# Altium PCB tester_board.PcbDoc (part 3 of 4) (continued)
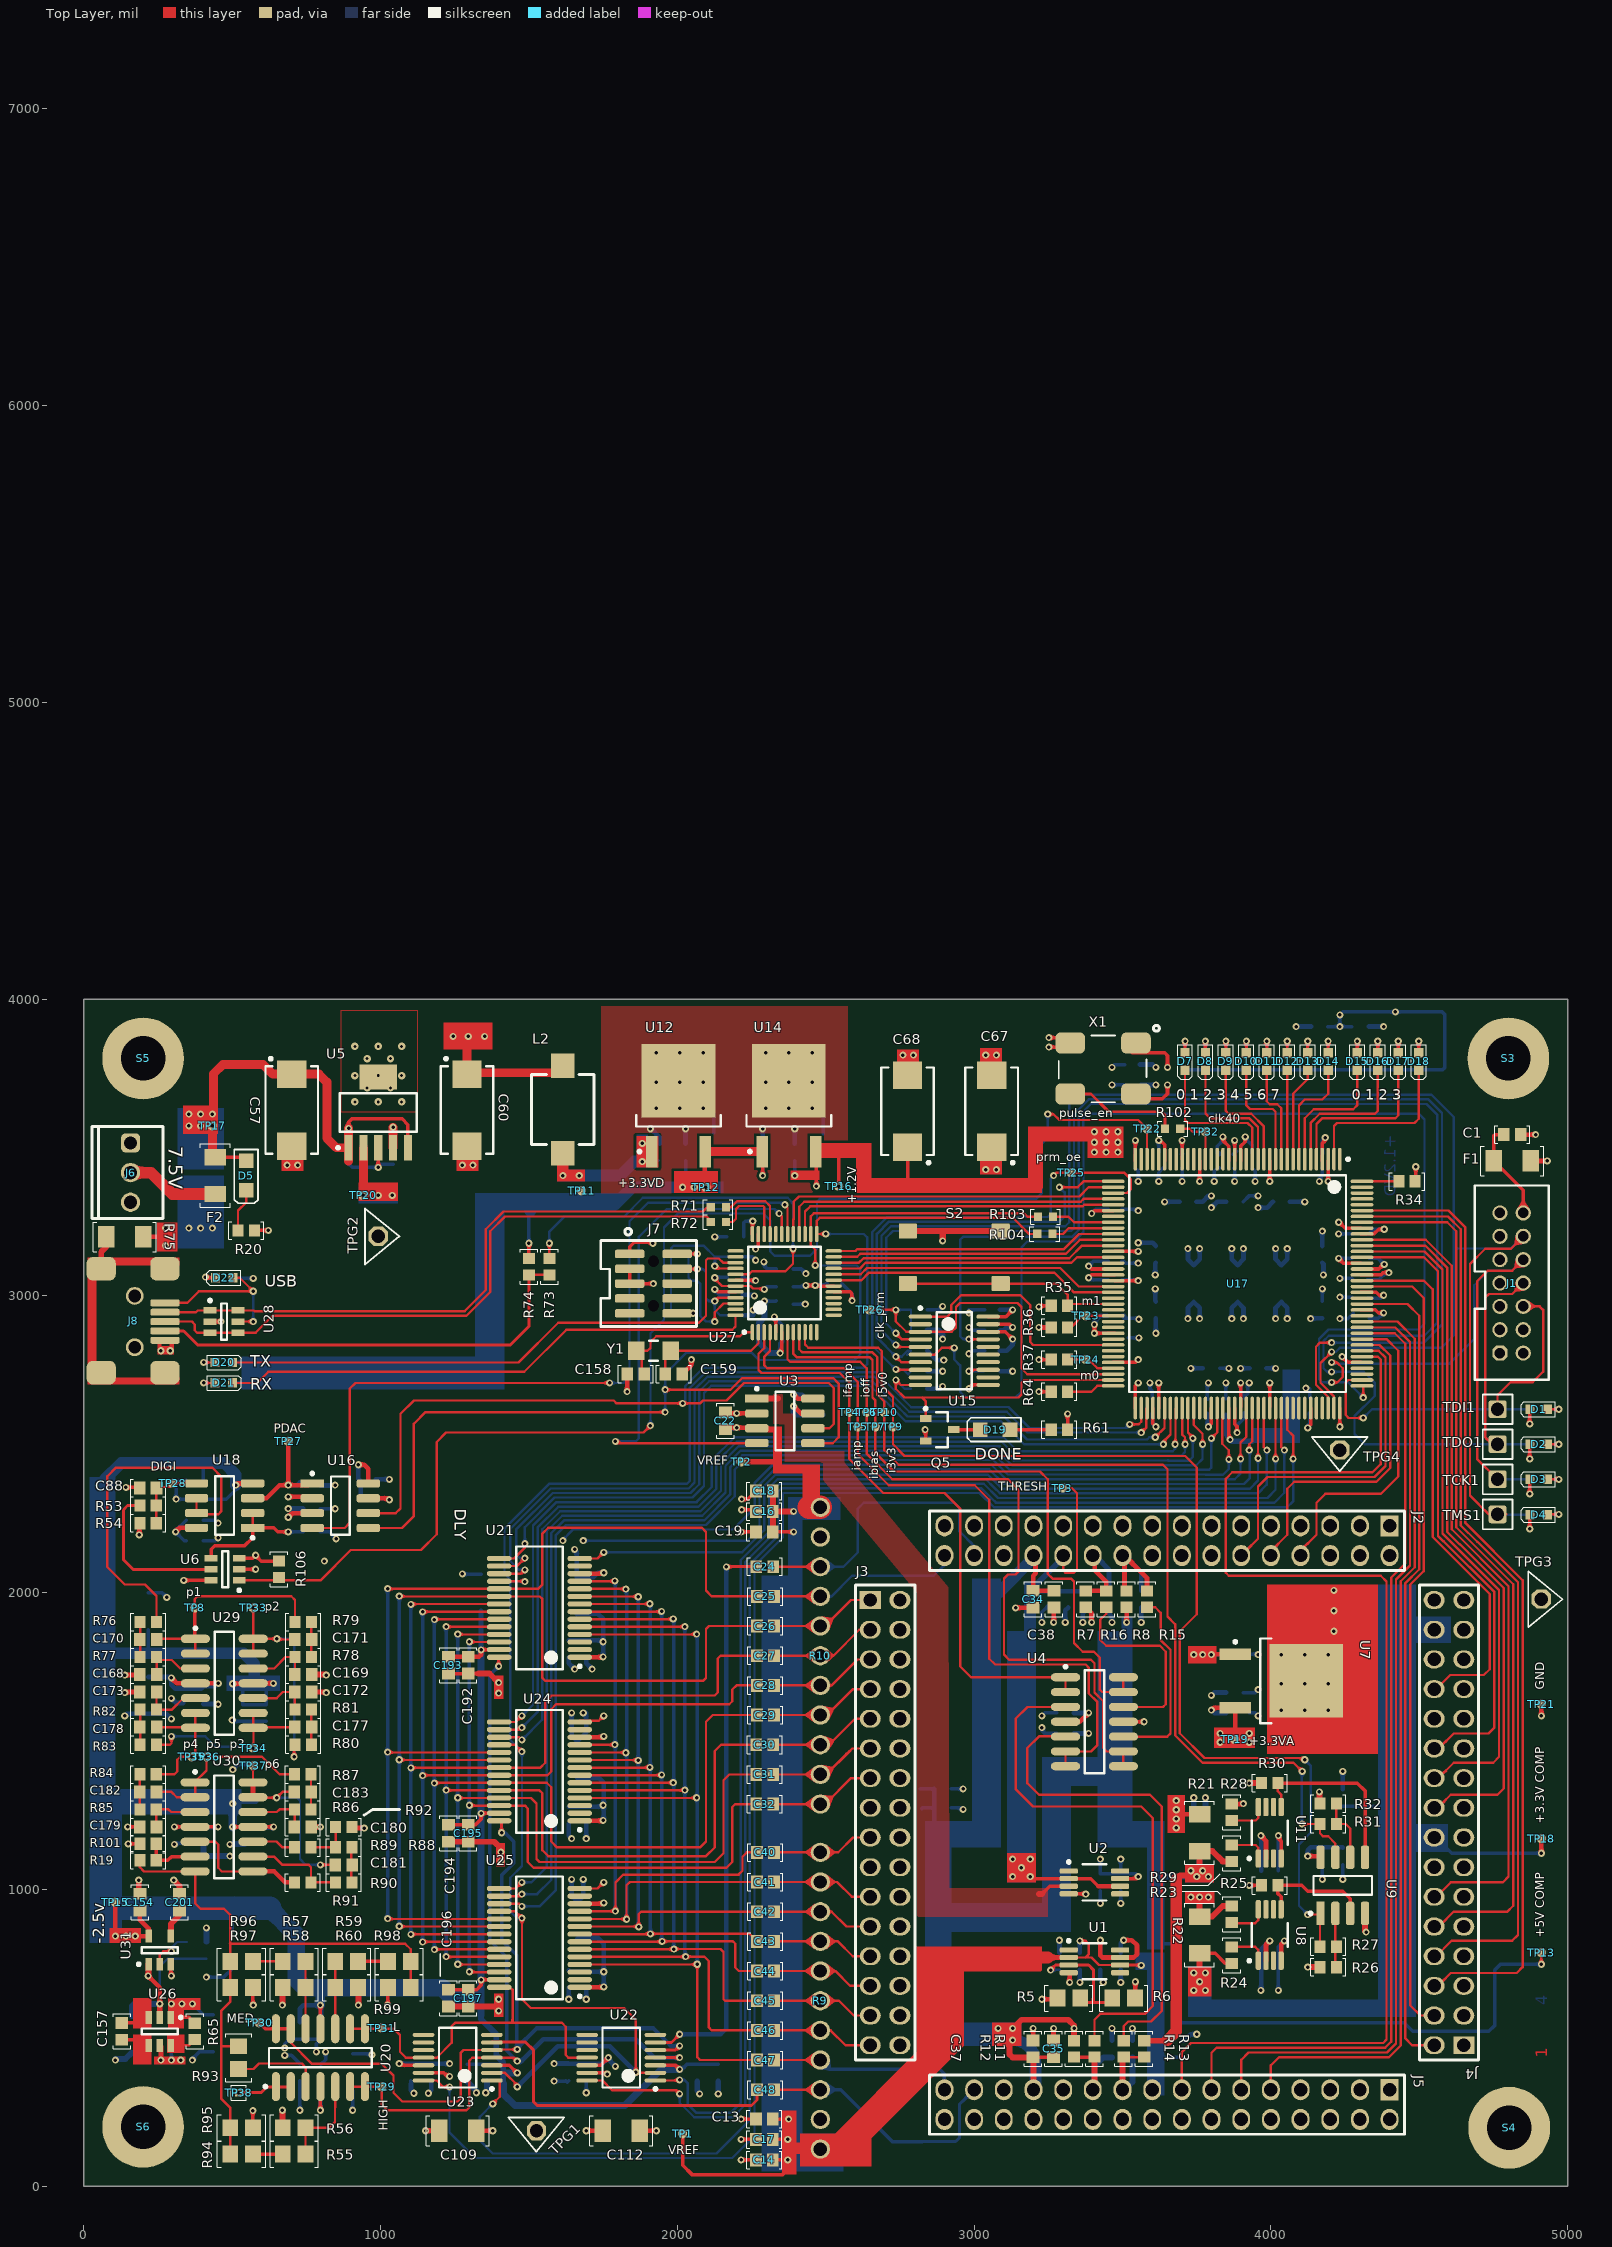
[diagram p0: Top Layer view]
## Nets (pads, with @x,y where several pads share a name; then routed paths per layer and width w, separated by ;. In a path a pad name is that pad's centre, name@x,y a point inside that pad or via, vN(x,y) a via of type N, cw(c..) or ccw(c..) an arc to the next point about the centre after c; other vN are vias at no path point) (continued)
HIGH_ADDR_4: U17.94 U21.14 | length 2765.1
  Top Layer w7.87: U21.14@1671.26,2115.16 1731.3,2115.16 v1(1751.97,2135.83) ; v1(3956.69,2452.99) U17.94@3956.69,2622.05
  Bottom Layer w7.87: v1(1751.97,2135.83) 2218.15,2135.83 2292.45,2210.13 2292.45,2358.67 2331.21,2397.43 3046.69,2397.43 3093.51,2350.62 3712.6,2350.62 3712.97,2350.25 3734.71,2350.25 3735.09,2349.87 3929.13,2349.87 3956.69,2377.43 v1(3956.69,2452.99)
HSWAPEN: R34.2 U17.144 | length 128.7
  Top Layer w7.87: U17.144@4299.51,3387.3 U17.144@4307.09,3387.3 ; U17.144@4307.09,3385.83 R34.2@4428.25,3385.83
IAMP: C54.2 J5.19 R13.1 R14.1 | length 303.1
  Top Layer w7.87: R14.1@3506.89,432.09 R14.1@3503.94,435.04 R13.1@3572.83,435.04
  Top Layer w19.68: J5.19@3500,325 3500,425.2 R14.1@3506.89,432.09
  Bottom Layer w19.68: J5.19@3506.89,325 3533.46,351.57 C54.2@3533.46,434.06
IAMP': R14.2 U4.5 | length 1636.4
  Top Layer w7.87: U4.5@3308.07,1514.96 3307.28,1515.75 3218.5,1515.75 3179.13,1476.38 3179.13,1358.27 3218.5,1318.9 3592.52,1318.9 3631.89,1279.53 3631.89,590.55 3596.27,554.93 3519.5,554.93 3503.94,539.37 R14.2@3503.94,490.16
IBIAS: C6.1 J2.22 R7.2 R16.1 | length 338.2
  Top Layer w15.75: R7.2@3375.98,2005.91 3433.07,2005.91 R16.1@3438.98,2011.81 ; J2.22@3406.89,2125 3406.89,2075.39 3444.88,2037.4 R16.1@3444.88,2005.91
  Bottom Layer w15.75: J2.22@3406.89,2125 3454.72,2077.17 C6.1@3454.72,2006.89
IBIAS': R16.2 U4.12 | length 678.6
  Top Layer w7.87: R16.2@3444.88,1950.79 3444.88,1929.13 3425.2,1909.45 3425.2,1840.55 3444.88,1820.87 3625.86,1820.87 3645.54,1801.18 3645.54,1624.02 3636.49,1614.96 U4.12@3502.95,1614.96
IFAMP: C53.2 J5.21 R11.1 R12.2 | length 332
  Top Layer w11.81: R12.2@3336.61,435.04 R11.1@3405.51,435.04
  Top Layer w19.68: J5.21@3400,325 3405.51,330.51 R11.1@3405.51,435.04
  Bottom Layer w19.68: J5.21@3406.89,325 3405.51,326.38 3405.51,403.54 3436.02,434.06 C53.2@3464.57,434.06
IFAMP': R11.2 U4.3 | length 1844
  Top Layer w7.87: U4.3@3308.07,1614.96 3179.92,1614.96 3139.76,1574.8 3139.76,1338.58 3198.82,1279.53 3562.99,1279.53 3602.36,1240.16 3602.36,607.73 3575.34,580.71 3425.2,580.71 3405.51,561.02 R11.2@3405.51,490.16
IN0: C24.2 J2.30 R10.3 | length 991.8
  Top Layer w7.87: C24.2@2322.93,2087.5 R10.3@2481.89,2087.5
  Bottom Layer w7.87: R10.3@2481.89,2087.5 2559.94,2087.5 2608.27,2135.83 2608.27,2283.46 2627.95,2303.15 2933.07,2303.15 2950.2,2286.02 2950.2,2207.28 3000,2157.48 J2.30@3000,2125
IN1: C25.2 J2.32 R10.4 | length 650.3
  Top Layer w7.87: C25.2@2325.43,1987.5 R10.4@2481.89,1987.5
  Bottom Layer w7.87: R10.4@2481.89,1987.5 2519,1987.5 2588.58,2057.09 2864.17,2057.09 2900,2092.91 J2.32@2900,2125
IN2: C26.2 J3.1 R10.5 | length 369.4
  Top Layer w7.87: C26.2@2325.43,1887.5 R10.5@2481.89,1887.5 2497.74,1887.5 2585.24,1975 J3.1@2650,1975
  Bottom Layer w7.87: J3.1@2648.31,1975 J3.1@2650,1975 J3.1@2656.89,1975
IN3: C27.2 J3.3 R10.6 | length 360.8
  Top Layer w7.87: C27.2@2325.43,1787.5 R10.6@2481.89,1787.5 2525.69,1787.5 2613.19,1875 J3.3@2650,1875
IN4: C28.2 J3.5 R10.7 | length 367.7
  Top Layer w7.87: C28.2@2325.43,1687.5 R10.7@2481.89,1687.5 2519.39,1687.5 2606.89,1775 J3.5@2650,1775 J3.5@2656.89,1775
IN5: C29.2 J3.7 R10.8 | length 360.8
  Top Layer w7.87: C29.2@2325.43,1587.5 R10.8@2481.89,1587.5 2504.68,1587.5 2592.18,1675 J3.7@2650,1675
IN6: C30.2 J3.9 R10.9 | length 370.2
  Top Layer w7.87: C30.2@2322.93,1487.5 R10.9@2481.89,1487.5 2511.12,1487.5 2598.62,1575 J3.9@2650,1575 J3.9@2656.89,1575
IN7: C31.2 J3.11 R10.10 | length 489.6
  Top Layer w7.87: C31.2@2322.93,1387.5 2470.47,1387.5 ccw(c2470.47,1458.07) 2520.38,1408.17 2568.9,1456.69 cw(c2613.09,1412.5) 2579.56,1465.24 ; R10.10@2481.89,1387.5 2501.82,1387.5 2579.56,1465.24 ; J3.11@2650,1475 2589.32,1475 2579.56,1465.24
IN8: C32.2 J3.13 R10.11 | length 363.3
  Top Layer w7.87: C32.2@2322.93,1287.5 R10.11@2481.89,1287.5 2498.08,1287.5 2585.58,1375 J3.13@2650,1375
IN9: C40.2 J3.17 R9.11 | length 352.2
  Top Layer w7.87: C40.2@2325.43,1125 R9.11@2481.89,1125 2542.32,1125 2592.32,1175 J3.17@2650,1175 J3.17@2656.89,1175
IN10: C41.2 J3.21 R9.10 | length 350.1
  Top Layer w7.87: C41.2@2325.43,1025 R9.10@2481.89,1025 2537.99,1025 2587.99,975 J3.21@2650,975 ; J3.21@2653.44,978.44 J3.21@2656.89,975
IN11: C42.2 J3.23 R9.9 | length 350.1
  Top Layer w7.87: C42.2@2325.43,925 R9.9@2481.89,925 2519.88,925 2569.88,875 J3.23@2650,875 ; J3.23@2653.44,878.44 J3.23@2656.89,875
IN12: C43.2 J3.25 R9.8 | length 350.1
  Top Layer w7.87: C43.2@2325.43,825 R9.8@2481.89,825 2541.14,825 2591.14,775 J3.25@2650,775 ; J3.25@2653.44,778.44 J3.25@2656.89,775
IN13: C44.2 J3.27 R9.7 | length 350.1
  Top Layer w7.87: C44.2@2325.43,725 R9.7@2481.89,725 2532.87,725 2582.87,675 J3.27@2650,675 ; J3.27@2653.44,678.44 J3.27@2656.89,675
IN14: C45.2 J3.29 R9.6 | length 345.3
  Top Layer w7.87: C45.2@2325.43,625 R9.6@2481.89,625 2544.29,625 2594.29,575 J3.29@2650,575
IN15: C46.2 J3.31 R9.5 | length 350.1
  Top Layer w7.87: C46.2@2325.43,525 R9.5@2481.89,525 2516.34,525 2566.34,475 J3.31@2650,475 ; J3.31@2653.44,478.44 J3.31@2656.89,475
IN16: C47.2 J5.31 R9.4 | length 653.7
  Top Layer w7.87: C47.2@2325.43,425 R9.4@2481.89,425
  Bottom Layer w7.87: J5.31@2900,325 J5.31@2906.89,325
  Bottom Layer w11.81: R9.4@2481.89,425 2513.19,393.7 2883.86,393.7 2900,377.56 J5.31@2900,325
IN17: C48.2 J5.29 R9.3 | length 884.9
  Top Layer w7.87: C48.2@2325.43,325 R9.3@2481.89,325
  Bottom Layer w10: 2825,150.56 2937.96,150.56 2950,162.6 2950,275 J5.29@3000,325
  Bottom Layer w11.81: R9.3@2481.89,325 2549.97,325 2724.41,150.56 2825,150.56
IOFF: C7.1 J2.20 R8.1 R15.1 | length 413.8
  Top Layer w15.75: R8.1@3513.78,2005.91 3506.89,2012.8 3506.89,2125 3582.68,2049.21 R15.1@3582.68,2005.91
  Bottom Layer w15.75: J2.20@3506.89,2125 3562.99,2068.9 C7.1@3562.99,2006.89
IOFF': R15.2 U4.10 | length 636.8
  Top Layer w7.87: U4.10@3502.95,1514.96 3650.79,1514.96 3661.42,1525.59 3661.42,1807.58 3628.44,1840.55 3628.44,1932.58 3610.24,1950.79 R15.2@3582.68,1950.79
LCT_CLK: J2.8 U17.117 | length 1074.2
  Top Layer w7.87: J2.8@4100,2125 4100,2141.34 4153.54,2194.88 4153.54,2303.15 4183.07,2332.68 4370.08,2332.68 4429.13,2391.73 4429.13,2814.96 4389.76,2854.33 U17.117@4307.09,2854.33
LCT_RST: J2.10 U17.116 | length 1111.9
  Top Layer w7.87: J2.10@4000,2125 4000,2139.76 4055.12,2194.88 4055.12,2350.14 4078.74,2373.76 4355.67,2373.76 4401.83,2419.92 4401.83,2798.58 4365.76,2834.65 U17.116@4307.09,2834.65
LED0: D7.C U17.16 | length 511.4
  Top Layer w7.87: D7.C@3710.63,3760.62 3710.63,3592.52 3720.47,3582.68 3921.26,3582.68 3937.01,3566.93 U17.16@3937.01,3460.63
LED1: D8.C U17.15 | length 450.7
  Top Layer w7.87: D8.C@3779.53,3760.62 3779.53,3614.17 3795.65,3598.05 3927.63,3598.05 3956.69,3568.99 U17.15@3956.69,3460.63
LED2: D9.C U17.14 | length 397.4
  Top Layer w7.87: D9.C@3848.43,3760.62 3848.43,3623.27 3858.27,3613.43 3934,3613.43 3976.38,3571.04 U17.14@3976.38,3460.63
LED3: D10.C U17.12 | length 385.7
  Top Layer w7.87: D10.C@3917.32,3760.62 3917.32,3641.73 3929.13,3629.92 4005.91,3629.92 4015.75,3620.08 U17.12@4015.75,3460.63
LED4: D11.C U17.11 | length 335.4
  Top Layer w7.87: D11.C@3986.22,3760.62 3986.22,3655.51 3996.06,3645.67 4021.65,3645.67 4035.43,3631.89 U17.11@4035.43,3460.63
LED5: D12.C U17.10 | length 300.5
  Top Layer w7.87: U17.10@4055.12,3460.63 4055.12,3753.58 D12.C@4060.43,3758.9
LED6: D13.C U17.9 | length 320.4
  Top Layer w7.87: U17.9@4074.8,3460.63 4074.8,3681.1 4124.02,3730.31 D13.C@4124.02,3760.62
LED7: D14.C U17.8 | length 375.4
  Top Layer w7.87: U17.8@4094.49,3460.63 4094.49,3641.73 4114.17,3661.42 4173.23,3661.42 4192.91,3681.1 D14.C@4192.91,3760.62
LED8: D15.C U17.7 | length 451.1
  Top Layer w7.87: U17.7@4114.17,3460.63 4114.17,3598.43 4144.55,3628.8 4277.22,3628.8 4291.34,3642.92 D15.C@4291.34,3760.62
LED9: D16.C U17.6 | length 503
  Top Layer w7.87: U17.6@4133.86,3460.63 4133.86,3582.68 4164.61,3613.43 4349.39,3613.43 4350.39,3614.43 ; 4350.39,3613.43 4360.24,3623.27 D16.C@4360.24,3760.62
LED10: D17.C U17.5 | length 558.6
  Top Layer w7.87: U17.5@4153.54,3460.63 4153.54,3579.37 4172.23,3598.05 4418.79,3598.05 4429.13,3608.39 D17.C@4429.13,3760.62
LED11: D18.C U17.2 | length 571.2
  Top Layer w7.87: U17.2@4212.6,3460.63 4212.6,3572.83 4222.44,3582.68 4483.66,3582.68 4498.03,3597.05 D18.C@4498.03,3760.62
LOW_ADDR_1: U17.88 U25.17 | length 4082.8
  Top Layer w7.87: U25.17@1399.61,951.77 1467.52,951.77 v1(1476.38,942.91) ; U17.88@3838.58,2622.05 3836.24,2619.7 3836.24,2501.59 3858.27,2479.57 v1(3858.27,2448.82)
  Bottom Layer w7.87: v1(1476.38,942.91) 1535.43,942.91 1590.73,998.21 1590.73,2194.27 1624.62,2228.15 2096.7,2228.15 2193.1,2324.55 2193.1,2414.87 2225.16,2446.93 2381.89,2446.93 ; 2381.89,2447.06 3064.42,2447.06 3113.61,2397.87 3779.53,2397.87 3780.13,2397.26 3838.58,2397.26 3858.27,2416.95 v1(3858.27,2448.82)
LOW_ADDR_2: U17.87 U25.16 | length 3984.4
  Top Layer w7.87: U25.16@1399.61,977.36 1469.49,977.36 v1(1476.38,984.25) ; v1(3799.21,2519.69) 3818.9,2539.37 U17.87@3818.9,2622.05
  Bottom Layer w7.87: v1(1476.38,984.25) 1527.56,984.25 1575.36,1032.05 1575.36,2200.63 1618.25,2243.52 2090.33,2243.52 2177.72,2330.91 2177.72,2421.24 2218.92,2462.43 3071.5,2462.43 3120.18,2413.74 3631.89,2413.74 ; 3631.89,2413.87 3791.82,2413.87 3799.21,2421.26 v1(3799.21,2519.69)
LOW_ADDR_3: U17.83 U25.15 | length 3908.8
  Top Layer w7.87: U25.15@1399.61,1002.95 1455.71,1002.95 v1(1476.38,1023.62) ; U17.83@3740.16,2622.05 3740.16,2564.96 3769.68,2535.44 v1(3769.68,2499.99)
  Bottom Layer w7.87: v1(1476.38,1023.62) 1507.87,1023.62 1559.99,1075.73 1559.99,2207 1611.88,2258.9 2083.97,2258.9 2162.35,2337.28 2162.35,2427.6 2212.55,2477.8 3079.41,2477.8 3127.6,2429.61 3748.51,2429.61 3769.68,2450.78 v1(3769.68,2499.99)
LOW_ADDR_4: U17.92 U25.14 | length 4001.6
  Top Layer w7.87: U25.14@1671.26,1002.95 1731.3,1002.95 v1(1751.97,1023.62) ; v1(3897.64,2450.79) 3897.64,2505.53 3917.32,2525.22 U17.92@3917.32,2622.05
  Signal Layer 2 w7.87: v1(1614.17,2175.19) 1614.17,1311.03 1751.97,1173.23 v1(1751.97,1023.62)
  Bottom Layer w7.87: v1(1614.17,2175.19) 1611.1,2175.19 1648.5,2212.6 2187.01,2212.6 2261.16,2286.75 2261.16,2370.86 2321.85,2431.56 2381.02,2431.56 ; 2381.89,2430.68 2381.02,2431.56 ; v1(3897.64,2450.79) 3897.64,2401.57 3877.95,2381.89 3720.7,2381.89 3720.47,2382.12 3106.91,2382.12 3057.84,2431.18 2444.88,2431.18 2444.51,2431.56 2381.02,2431.56
M0: R37.1 TP24.1 U17.69 | length 170.7
  Top Layer w7.87: R37.1@3314.96,2785.43 TP24.1@3375.98,2785.43 3385.83,2785.43 3415.35,2755.91 U17.69@3468.5,2755.91 U17.69@3473.43,2755.91
M1: R36.1 TP23.1 U17.60 | length 174.8
  Top Layer w7.87: R36.1@3314.96,2893.7 3326.77,2893.7 3366.14,2933.07 U17.60@3468.5,2933.07 U17.60@3473.43,2933.07
MED_ADDR_1: U17.82 U24.17 | length 3375.9
  Top Layer w7.87: U24.17@1399.61,1512.8 1467.52,1512.8 v1(1476.38,1503.94) ; U17.82@3720.47,2622.05 3720.47,2539.37 3737.08,2522.76 v1(3737.08,2519.69)
  Bottom Layer w7.87: v1(1476.38,1503.94) 1544.61,1572.17 1544.61,2213.37 1605.51,2274.27 2077.6,2274.27 2146.98,2343.65 2146.98,2433.97 2206.18,2493.18 3085.78,2493.18 3133.97,2444.99 ; 3134,2445.49 3651.57,2445.49 ; 3651.57,2445.61 3653.54,2445.61 ; 3653.54,2444.99 3724.41,2444.99 3737.08,2457.66 v1(3737.08,2519.69)
MED_ADDR_2: U17.81 U24.16 | length 3306.6
  Top Layer w7.87: U24.16@1399.61,1538.39 1469.49,1538.39 v1(1476.38,1545.28) ; U17.81@3700.79,2622.05 3700.79,2533.14 3710.63,2523.3 v1(3710.63,2500)
  Bottom Layer w7.87: v1(1476.38,1545.28) 1529.24,1598.13 1529.24,2219.74 1599.14,2289.65 2071.23,2289.65 2131.6,2350.02 2131.6,2440.34 2199.81,2508.55 3093.2,2508.55 3140.39,2461.36 3697.58,2461.36 3710.63,2474.41 v1(3710.63,2500)
MED_ADDR_3: U17.80 U24.15 | length 3265.2
  Top Layer w7.87: U24.15@1399.61,1563.98 1455.71,1563.98 v1(1476.38,1584.65) ; v1(3677.16,2499.99) 3678.76,2501.6 3678.76,2619.7 U17.80@3681.1,2622.05
  Bottom Layer w7.87: v1(1476.38,1584.65) 1513.86,1622.13 1513.86,2226.11 1592.78,2305.02 2064.86,2305.02 2116.23,2356.39 2116.23,2446.71 2193.45,2523.93 3100.1,2523.93 3147.28,2476.75 3650.67,2476.75 3651.16,2477.24 ; 3629.92,2476.74 3669.29,2476.74 3677.16,2484.6 v1(3677.16,2499.99)
MED_ADDR_4: U17.93 U24.14 | length 3412.7
  Top Layer w7.87: U24.14@1671.26,1563.98 1671.26,1568.04 1735.36,1568.04 v1(1751.97,1584.65) ; v1(3927.17,2480.31) 3927.17,2500 3937.01,2509.84 U17.93@3937.01,2622.05
  Signal Layer 2 w7.87: v1(1683.07,2175.2) 1683.07,1653.54 v1(1751.97,1584.65)
  Bottom Layer w7.87: v1(1683.07,2175.2) 2235.78,2175.2 2276.53,2215.95 2276.53,2364.49 2327.34,2415.31 3051.27,2415.31 3100.21,2366.37 3909.68,2366.37 3929.13,2385.83 3929.13,2478.35 v1(3927.17,2480.31)
MUX_EN: U17.74 U21.18 U22.2 U23.2 U24.18 U25.18 | length 5900.4
  Top Layer w7.87: U23.2@1375,381.89 1419.29,381.89 1460.63,340.55 v1(1460.63,334.65) ; U25.18@1399.61,926.18 1453.74,926.18 v1(1476.38,903.54) 1476.38,629.92 1505.91,600.39 1820.87,600.39 1860.24,561.02 v1(1860.24,383.86) 1862.2,381.89 U22.2@1926.18,381.89 ; U24.18@1399.61,1487.2 1453.74,1487.2 v1(1476.38,1464.57) ; U21.18@1399.61,2038.39 1485.23,2038.39 v1(1486.22,2037.4) ; v1(3523.62,2566.93) 3554.27,2566.93 3562.99,2575.65 U17.74@3562.99,2622.05
  Bottom Layer w7.87: v1(1476.38,903.54) 1458.66,903.54 1437.01,925.2 1437.01,1039.37 1476.38,1078.74 v1(1476.38,1464.57) 1437.01,1503.94 1437.01,2037.4 ; v1(1486.22,2037.4) 1437.01,2037.4 ; 2042.17,2627.95 2042.17,2376.82 2031.87,2366.52 1567.3,2366.52 1417.32,2216.54 1417.32,2063.98 1437.01,2044.29 1437.01,2037.4 ; 2042.3,2627.95 2042.3,2690.2 2095.07,2742.97 2669.88,2742.97 2788.07,2624.79 2834.65,2624.79 ; 2834.65,2625.29 3116.04,2625.29 3186.58,2554.74 3511.44,2554.74 v1(3523.62,2566.93)
  Bottom Layer w15.75: v1(1460.63,334.65) 1597.32,471.33 1772.76,471.33 v1(1860.24,383.86)
NetC1_1: C1.1 F1.2 J1.2 | length 336.7
  Top Layer w11.81: C1.1@4784.45,3543.31 4753.94,3543.31 4750.98,3540.35 F1.2@4750.98,3454.72 4850.39,3355.31 J1.2@4850.39,3279.53
NetC2_1: C2.1 R5.2 R6.2 U1.3 | length 392.2
  Top Layer w10: v1(3257.87,728.35) 3274.61,745.08 U1.3@3318.9,745.08 ; U1.3@3322.44,745.08 3385.83,745.08 3401.57,729.33 3401.57,619.09 ; R5.2@3359.84,619.09 3401.57,619.09 ; R6.2@3458.27,619.09 3401.57,619.09
  Bottom Layer w10: v1(3257.87,728.35) 3258.86,729.33 C2.1@3287.4,729.33
NetC24_1: C24.1 U22.6 | length 1918.7
  Top Layer w9.84: U22.6@1926.18,484.25 1980.32,484.25 v1(2007.87,511.81) ; v1(2165.35,2086.61) 2166.24,2087.5 C24.1@2265.85,2087.5
  Bottom Layer w15: v1(2007.87,511.81) 2145.67,511.81 2165.35,531.5 v1@2165.35,2090.55
NetC48_1: C48.1 U23.6 | length 1127.2
  Top Layer w10: U23.6@1375,484.25 1375,485.13 1488.3,485.13 1515.75,457.68 1515.75,283.46 1527.56,271.65 2249.8,271.65 2268.35,290.2 C48.1@2268.35,325
NetC61_1: C61.1 U5.4 | length 136.7
  Top Layer w30: U5.4@1042.13,3499.02 v1(1042.13,3568.11)
  Bottom Layer w11.81: v1(1042.13,3568.11) 1043.31,3566.93 C61.1@1043.31,3500.98
NetC70_1: C70.1 L2.2 U12.1 | length 418.4
  Top Layer w39.37: v1(1614.17,3405.51) L2.2@1614.17,3480.31
  Bottom Layer w10: v1(1881.89,3452.76) 1884.84,3455.71 C70.1@1937.01,3455.71
  Bottom Layer w39.37: v1(1614.17,3405.51) 1807.09,3405.51 1854.33,3452.76 v1(1881.89,3452.76)
  other v1: 1669.29,3405.51 1881.86,3513.45
NetC157_1: C157.1 U26.3 | length 98.3
  Top Layer w11.81: C157.1@127.95,550.2 170.28,550.2 188.98,568.9 U26.3@218.5,568.9
NetC157_2: C157.2 U26.4 | length 98.3
  Top Layer w11.81: C157.2@127.95,493.11 180.12,493.11 198.82,474.41 U26.4@218.5,474.41
NetC168_1: C168.1 R77.2 U29.3 | length 192.4
  Top Layer w7.87: R77.2@245.08,1792.91 R77.2@246.06,1791.93 ; C168.1@246.06,1724.02 246.06,1773.23 296.26,1773.23 325,1744.49 U29.3@375.98,1744.49
NetC169_1: C169.1 R78.2 U29.12 | length 216.2
  Top Layer w7.87: U29.12@570.87,1744.49 641.54,1744.49 680.12,1783.07 R78.2@711.61,1783.07 711.61,1725 C169.1@710.63,1724.02
NetC170_1: C170.1 R76.2 R77.1 | length 118.1
  Top Layer w7.87: R77.1@189.96,1783.07 R76.2@189.96,1901.18
NetC171_1: C171.1 R78.1 R79.2 | length 118.1
  Top Layer w7.87: R78.1@766.73,1783.07 R79.2@766.73,1901.18
NetC172_1: C172.1 R81.2 U29.10 | length 207.7
  Top Layer w7.87: U29.10@570.87,1644.49 649.8,1644.49 670.28,1664.96 C172.1@710.63,1664.96 710.63,1606.89 R81.2@711.61,1605.91
NetC173_1: C173.1 R82.2 U29.5 | length 206.3
  Top Layer w7.87: C173.1@246.06,1664.96 245.08,1663.98 R82.2@245.08,1605.91 296.85,1605.91 335.43,1644.49 U29.5@375.98,1644.49
NetC177_1: C177.1 R80.2 R81.1 | length 118.1
  Top Layer w7.87: R80.2@766.73,1487.8 R81.1@766.73,1605.91
NetC178_1: C178.1 R82.1 R83.2 | length 118.1
  Top Layer w7.87: R83.2@189.96,1487.8 R82.1@189.96,1605.91
NetC179_1: C179.1 R85.2 U30.3 | length 194.1
  Top Layer w7.87: C179.1@245.08,1210.63 244.09,1211.61 R85.2@244.09,1269.68 285.43,1269.68 294.49,1260.63 U30.3@375,1260.63
NetC180_1: C180.1 R86.2 U30.12 | length 204
  Top Layer w7.87: U30.12@569.88,1260.63 650.39,1260.63 659.45,1269.68 R86.2@710.63,1269.68 710.63,1211.61 C180.1@709.65,1210.63
NetC182_1: C182.1 R84.2 R85.1 | length 118.1
  Top Layer w7.87: R85.1@188.98,1269.68 R84.2@188.98,1387.8
NetC183_1: C183.1 R86.1 R87.2 | length 118.1
  Top Layer w7.87: R86.1@765.75,1269.68 R87.2@765.75,1387.8
NetC201_2: C201.2 U31.4 | length 97.9
  Top Layer w7.87: U31.4@293.31,842.52 U31.4@293.31,862.2
  Top Layer w19.68: U31.4@293.31,862.2 293.31,883.86 322.83,913.39 C201.2@322.83,928.15
NetD1_A: D1.A R1.2 | length 79.9
  Top Layer w7.87: D1.A@4931.88,2618.11 v1(4970.47,2618.11)
  Bottom Layer w7.87: R1.2@4929.13,2618.11 v1(4970.47,2618.11)
NetD2_A: D2.A R2.2 | length 79.9
  Top Layer w7.87: D2.A@4931.88,2500 v1(4970.47,2500)
  Bottom Layer w7.87: R2.2@4929.13,2500 v1(4970.47,2500)
NetD3_A: D3.A R3.2 | length 79.9
  Top Layer w7.87: D3.A@4931.88,2381.89 v1(4970.47,2381.89)
  Bottom Layer w7.87: R3.2@4929.13,2381.89 v1(4970.47,2381.89)
NetD4_A: D4.A R4.2 | length 81.1
  Top Layer w7.87: D4.A@4931.88,2262.39 4933.27,2263.78 v1(4970.47,2263.78)
  Bottom Layer w7.87: R4.2@4929.13,2262.39 4969.08,2262.39 v1(4970.47,2263.78)
NetD5_C: D5.C R20.2 | length 146.5
  Top Layer w7.87: R20.2@519.69,3220.47 519.69,3287.4 547.24,3314.96 D5.C@547.24,3355.51
NetD7_A: D7.A R41.2 | length 82.1
  Top Layer w10: v1(3710.63,3858.27) 3710.63,3824.99 D7.A@3715.94,3819.68
  Bottom Layer w10: R41.2@3710.63,3816.93 v1(3710.63,3858.27)
NetD8_A: D8.A R42.2 | length 79.9
  Top Layer w11.81: D8.A@3779.53,3819.68 v1(3779.53,3858.27)
  Bottom Layer w11.81: R42.2@3779.53,3816.93 v1(3779.53,3858.27)
NetD9_A: D9.A R43.2 | length 79.9
  Top Layer w10: D9.A@3848.43,3819.68 v1(3848.43,3858.27)
  Bottom Layer w10: R43.2@3848.43,3816.93 v1(3848.43,3858.27)
NetD10_A: D10.A R44.2 | length 79.9
  Top Layer w10: D10.A@3917.32,3819.68 v1(3917.32,3858.27)
  Bottom Layer w10: R44.2@3917.32,3816.93 v1(3917.32,3858.27)
NetD11_A: D11.A R45.2 | length 79.9
  Top Layer w10: D11.A@3986.22,3819.68 v1(3986.22,3858.27)
  Bottom Layer w10: R45.2@3986.22,3816.93 v1(3986.22,3858.27)
NetD12_A: D12.A R46.2 | length 79.9
  Top Layer w10: D12.A@4055.12,3819.68 v1(4055.12,3858.27)
  Bottom Layer w10: R46.2@4055.12,3816.93 v1(4055.12,3858.27)
NetD13_A: D13.A R47.2 | length 79.9
  Top Layer w10: D13.A@4124.02,3819.68 v1(4124.02,3858.27)
  Bottom Layer w10: R47.2@4124.02,3816.93 v1(4124.02,3858.27)
NetD14_A: D14.A R48.2 | length 79.9
  Top Layer w10: D14.A@4192.91,3819.68 v1(4192.91,3858.27)
  Bottom Layer w10: R48.2@4192.91,3816.93 v1(4192.91,3858.27)
NetD15_A: D15.A R49.2 | length 79.9
  Top Layer w11.81: D15.A@4291.34,3819.68 v1(4291.34,3858.27)
  Bottom Layer w11.81: R49.2@4291.34,3816.93 v1(4291.34,3858.27)
NetD16_A: D16.A R50.2 | length 79.9
  Top Layer w11.81: D16.A@4360.24,3819.68 v1(4360.24,3858.27)
  Bottom Layer w11.81: R50.2@4360.24,3816.93 v1(4360.24,3858.27)
NetD17_A: D17.A R51.2 | length 79.9
  Top Layer w11.81: D17.A@4429.13,3819.68 v1(4429.13,3858.27)
  Bottom Layer w11.81: R51.2@4429.13,3816.93 v1(4429.13,3858.27)
NetD18_A: D18.A R52.2 | length 79.9
  Top Layer w11.81: D18.A@4498.03,3819.68 v1(4498.03,3858.27)
  Bottom Layer w11.81: R52.2@4498.03,3816.93 v1(4498.03,3858.27)
NetD19_A: D19.A R61.2 | length 139
  Top Layer w11.81: D19.A@3120.87,2549.21 R61.2@3259.84,2549.21
NetD19_C: D19.C Q5.3 | length 89.8
  Top Layer w11.81: Q5.3@2931.1,2549.21 D19.C@3020.87,2549.21
NetD20_A: D20.A R67.2 | length 79.9
  Top Layer w7.87: v1(403.54,2775.59) D20.A@442.14,2775.59
  Bottom Layer w7.87: v1(403.54,2775.59) R67.2@444.88,2775.59
NetD21_A: D21.A R68.2 | length 79.9
  Top Layer w7.87: v1(403.54,2706.69) D21.A@442.14,2706.69
  Bottom Layer w7.87: v1(403.54,2706.69) R68.2@444.88,2706.69
NetD22_C: D22.C R70.2 | length 72.1
  Top Layer w11.81: v1(409.45,3062.99) 411.42,3061.02 D22.C@443.69,3061.02
  Bottom Layer w11.81: v1(409.45,3062.99) 413.39,3059.06 R70.2@444.88,3059.06
NetJ8_4: J8.4 R73.1 R74.1 | length 1514.2
  Top Layer w7.87: R74.1@1500,3070.87 R73.1@1568.9,3070.87
  Top Layer w10: J8.4@273.57,2881.88 336.62,2881.88 383.86,2834.65 1437.01,2834.65 1500,2897.64 R74.1@1500,3070.87
NetJ8_6: J8.6 R75.1 | length 114.6
  Top Layer w19.68: J8.6@58.57,3091.37 58.57,3148.34 75.79,3165.55 R75.1@75.79,3198.82
NetQ5_1: Q5.1 R62.1 U15.10 U17.71 | length 1050.3
  Top Layer w7.87: U15.10@2818.9,2699.8 2752.95,2699.8 v1(2736.22,2716.54) 2736.22,2687.01 2765.75,2657.48 2824.8,2657.48 ; Q5.1@2836.61,2586.61 2836.61,2645.67 2824.8,2657.48 ; U17.71@3468.5,2716.54 3169.29,2716.54 3159.45,2706.69 3159.45,2667.32 3149.61,2657.48 2824.8,2657.48
  Bottom Layer w7.87: v1(2736.22,2716.54) 2765.75,2687.01 R62.1@2787.4,2687.01
NetR19_1: R19.1 R101.1 U30.6 | length 191.1
  Top Layer w11.81: R101.1@244.09,1153.54 R19.1@244.09,1098.43 283.46,1098.43 295.67,1110.63 U30.6@375,1110.63
NetR23_2: R23.2 U8.8 | length 131.7
  Top Layer w7.87: R23.2@3868.11,888.78 3871.06,885.83 3946.85,885.83 3957.68,896.65 U8.8@3957.68,933.07
NetR24_2: R24.2 U8.1 | length 130.9
  Top Layer w7.87: R24.2@3868.11,806.1 3869.09,807.09 3946.85,807.09 3957.68,796.26 U8.1@3957.68,759.84
NetR25_2: R25.2 U8.5 U9.3 | length 407.9
  Top Layer w11.81: U8.5@4034.45,933.07 4034.45,975.39 4023.62,986.22 R25.2@4023.62,1013.78 4104.33,1013.78 4124.02,994.09 4242.13,994.09 4267.13,969.09 U9.3@4267.13,919.29 4263.19,915.35 4261.81,915.35 U9.3@4261.81,919.29
NetR26_2: R26.2 R27.2 U9.2 | length 182.5
  Top Layer w7.87: U9.2@4217.13,919.29 4217.13,741.54 R26.2@4220.47,738.19
NetR28_2: R28.2 U11.8 | length 129.7
  Top Layer w7.87: R28.2@3868.11,1232.28 3948.82,1232.28 3957.68,1241.14 U11.8@3957.68,1277.56
NetR29_2: R29.2 U11.1 | length 129.7
  Top Layer w7.87: R29.2@3868.11,1149.61 3948.82,1149.61 3957.68,1140.75 U11.1@3957.68,1104.33
NetR30_2: R30.2 U9.5 U11.5 | length 613.6
  Top Layer w7.87: R30.2@4023.62,1358.27 4023.62,1330.71 4034.45,1319.88 U11.5@4034.45,1277.56
  Top Layer w11.81: R30.2@4023.62,1358.27 4291.34,1358.27 4317.13,1332.48 U9.5@4317.13,1108.27
NetR31_2: R31.2 R32.2 U9.6 | length 218.9
  Top Layer w7.87: R32.2@4220.47,1289.37 R31.2@4220.47,1220.47 4251.97,1220.47 4267.13,1205.32 U9.6@4267.13,1108.27
NetR53_1: R53.1 U6.5 | length 538.3
  Top Layer w10: R53.1@188.98,2293.31 147.64,2293.31 133.86,2279.53 133.86,2110.47 165.59,2078.74 U6.5@429.13,2078.74
NetR55_1: R55.1 R94.2 | length 100.4
  Top Layer w11.81: R94.2@569.88,108.27 R55.1@670.28,108.27
NetR55_2: R55.2 R56.2 U20.5 | length 315.6
  Top Layer w7.87: R55.2@747.05,108.27 R56.2@747.05,196.85 826.77,196.85 846.46,216.54 846.46,264.96 847.24,265.75 U20.5@847.24,335.63
NetR57_1: R57.1 R96.2 | length 100.4
  Top Layer w7.87: R96.2@569.88,757.87 R57.1@670.28,757.87
NetR57_2: R57.2 R58.2 U20.12 | length 227.4
  Top Layer w7.87: R57.2@747.05,757.87 R58.2@747.05,669.29 747.05,530.71 U20.12@747.24,530.51
NetR59_1: R59.1 R60.2 U20.10 | length 251.2
  Top Layer w7.87: U20.10@847.24,530.51 847.24,669.09 R60.2@847.44,669.29 847.44,748.03 R59.1@847.44,757.87
  Top Layer w15: R59.1@847.44,748.03 857.28,757.87 R59.1@857.28,767.72
NetR59_2: R59.2 R98.2 | length 100.4
  Top Layer w11.81: R59.2@924.21,757.87 R98.2@1024.61,757.87
NetR63_1: R63.1 U15.7 U17.37 | length 1560
  Top Layer w7.87: v1(2736.22,2795.28) 2754.92,2776.57 U15.7@2818.9,2776.57 ; v1(3287.4,3366.14) 3348.68,3366.14 3368.36,3385.83 U17.37@3468.5,3385.83
  Bottom Layer w7.87: R63.1@2774.61,2802.17 R63.1@2787.4,2814.96 2775.92,2814.96 2756.23,2795.28 v1(2736.22,2795.28) 2672.24,2859.25 2672.24,3208.91 2713.46,3250.13 3287.4,3250.13 3304.87,3267.59 3304.87,3348.68 v1(3287.4,3366.14)
NetR64_1: R64.1 U17.72 | length 166.6
  Top Layer w7.87: R64.1@3314.96,2677.17 3395.67,2677.17 3415.35,2696.85 U17.72@3473.43,2696.85
NetR65_1: R65.1 U26.6 | length 88.9
  Top Layer w7.87: U26.6@293.31,474.41 354.33,474.41 R65.1@374.02,494.09
NetR88_2: R88.2 R89.1 R92.2 | length 142.5
  Top Layer w7.87: R89.1@765.75,1141.73 846.46,1141.73 R88.2@848.43,1143.7 ; R88.2@848.43,1141.73 R92.2@848.43,1200.79
NetR89_2: R89.2 U30.10 | length 149.2
  Top Layer w7.87: U30.10@569.88,1160.63 570.67,1161.42 649.61,1161.42 669.29,1141.73 R89.2@710.63,1141.73
NetR90_1: R90.1 U30.5 U30.8 | length 438.5
  Top Layer w7.87: U30.5@375,1160.63 443.7,1160.63 452.76,1151.57 452.76,1072.83 464.96,1060.63 U30.8@569.88,1060.63
  Top Layer w15: U30.8@569.88,1060.63 642.13,1060.63 679.13,1023.62 R90.1@710.63,1023.62
NetR90_2: R90.2 R91.2 U30.9 | length 342.6
  Top Layer w7.87: U30.9@569.88,1110.63 641.34,1110.63 669.29,1082.68 757.87,1082.68 765.75,1074.8 R90.2@765.75,1023.62 R91.2@846.46,1023.62
NetR93_2: R93.2 U20.3 | length 304.7
  Top Layer w7.87: R93.2@521.65,394.68 571.85,394.68 590.55,413.39 735.24,413.39 748.03,400.59 748.03,336.42 U20.3@747.24,335.63
NetR100_1: R100.1 U31.2 | length 149.7
  Top Layer w7.87: U31.2@255.91,748.03 255.91,779.53 267.72,791.34 v1(295.28,791.34) v1@293.31,789.37
  Bottom Layer w7.87: v1(295.28,791.34) 295.28,803.15 314.96,822.83 R100.1@346.46,822.83
NetR102_2: R102.2 X1.3 | length 398.9
  Top Layer w10: X1.3@3323.82,3684.27 X1.3@3323.82,3680.12 3393.7,3680.12 3453.42,3620.4 3631.57,3620.4 3643.29,3608.68 R102.2@3643.29,3562.99
NetR103_2: R103.2 U17.44 | length 210.1
  Top Layer w7.87: R103.2@3266.16,3266.73 3317.79,3266.73 3336.49,3248.03 U17.44@3468.5,3248.03
NetR104_2: R104.2 U17.45 | length 212.5
  Top Layer w7.87: R104.2@3264.19,3208.66 3299.21,3208.66 3318.9,3228.35 U17.45@3468.5,3228.35
NetU17_38: U17.38 U27.29 | length 1206
  Top Layer w7.87: U27.29@2390.95,3208.42 2390.95,3257.87 2391.73,3258.66 2391.73,3316.93 2409.82,3335.02 3354.7,3335.02 3385.83,3366.14 U17.38@3468.5,3366.14
NetU17_46: U17.46 U27.24 | length 965.5
  Top Layer w7.87: U27.24@2526.77,3151.33 2600.15,3151.33 2606.3,3157.48 3302.35,3157.48 3353.53,3208.66 U17.46@3468.5,3208.66
NetU17_48: U17.48 U27.22 | length 965.5
  Top Layer w7.87: U27.22@2526.77,3111.96 2612.21,3111.96 2626.98,3126.73 3320.75,3126.73 3363.31,3169.29 U17.48@3468.5,3169.29
NetU17_50: U17.50 U27.21 | length 957.4
  Top Layer w7.87: U27.21@2526.77,3092.27 2614.97,3092.27 2634.06,3111.36 3327.83,3111.36 3346.46,3129.99 3468.5,3129.99 U17.50@3468.5,3129.92
NetU17_55: U17.55 U27.20 | length 982.2
  Top Layer w7.87: U27.20@2526.77,3072.59 2617.74,3072.59 2638.89,3093.74 3290.24,3093.74 3352.49,3031.5 U17.55@3468.5,3031.5 U17.55@3474.41,3031.5
NetU17_56: U17.56 U27.19 | length 979.8
  Top Layer w7.87: U27.19@2526.77,3052.9 2620.5,3052.9 2645.97,3078.37 3270.06,3078.37 3336.61,3011.81 U17.56@3468.5,3011.81
NetU27_11: U27.11
NetU27_12: U27.12